# Altium PCB TIMESTICK_2.1.PcbDoc (part 3 of 3)
Units mm, origin at the board's own origin, x right, y up, seen from the top; angles counter-clockwise.
Board outline 82 x 42 mm, 4 copper layers (Top Layer, Int1, Int2, Bottom Layer), stack 1.524 mm thick; 133 components, 97 nets, 478 pads, 433 vias.
Unrouted connection lines stored in the file: 51.
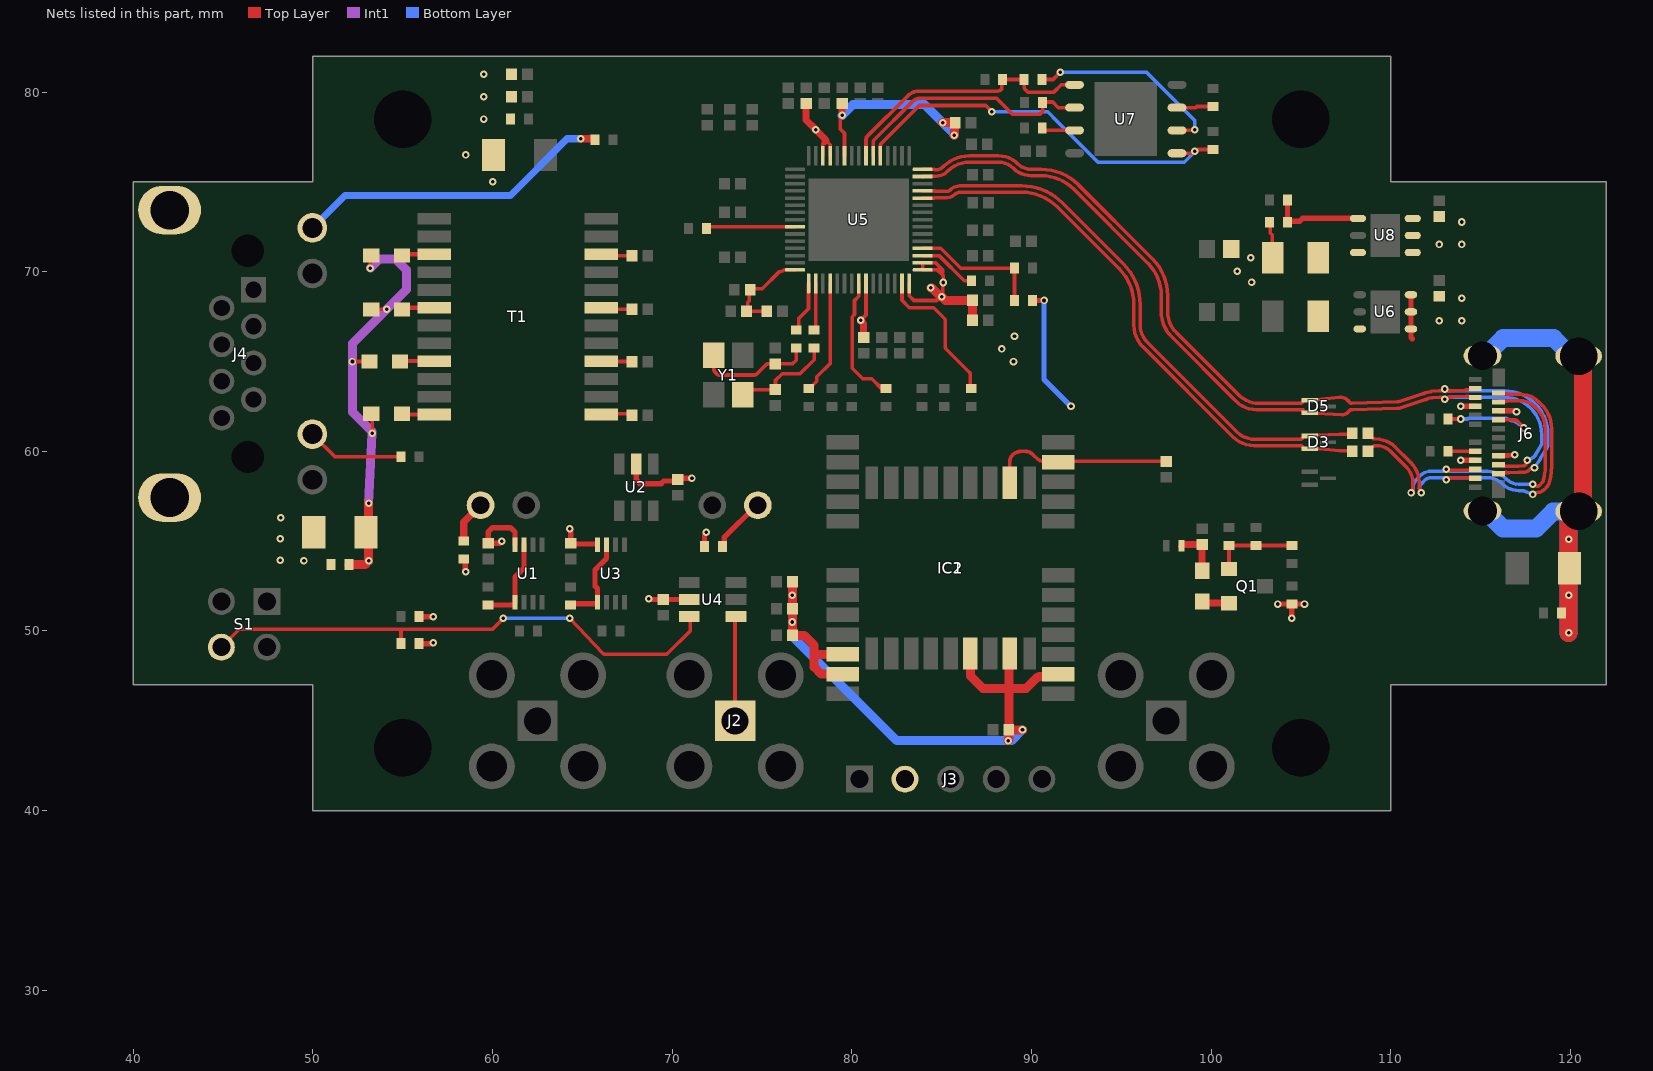
[diagram p5: the nets of this part, all layers, seen from the top]

## Via types
v1: diameter 0.42, hole 0.2, Top Layer to Bottom Layer, tented both sides, 433 vias

## Nets (pads, with @x,y where several pads share a name; then routed paths per layer and width w, separated by ;. In a path a pad name is that pad's centre, name@x,y a point inside that pad or via, vN(x,y) a via of type N, cw(c..) or ccw(c..) an arc to the next point about the centre after c; other vN are vias at no path point) (continued)
MUX2_CTRL: R7.1 S1.4 U4.6 | length 29.8
  Top Layer w0.2: S1.4@44.9,49.1 45.9,50.1 48.395,50.1 54.9,50.1 ; R7.1@54.9,49.3 54.9,50.1 ; v1(60.6,50.7) 60,50.1 54.9,50.1 ; v1(64.3,50.7) 66.138,48.762 ccw(c66.283,48.9) 66.283,48.7 69.617,48.7 ccw(c69.617,48.9) 69.759,48.759 71,50 71,50.75 U4.6@70.95,50.8
  Bottom Layer w0.2: v1(60.6,50.7) v1(64.3,50.7)
NetC5_2: C5.2 L1.1 R12.2 | length 2.6
  Top Layer w0.4: L1.1@98.35,54.75 98.41,54.81 C5.2@99.5,54.81 R12.2@99.5,53.35
NetC13_2: C13.2 R26.1 Y1.1 | length 5.8
  Top Layer w0.2: Y1.1@73.922,63.15 74.212,63.44 C13.2@75.77,63.44 ; C13.2@75.75,63.44 75.75,63.95 76.12,64.32 77.115,64.32 77.9,65.105 R26.1@77.9,65.75
NetC14_2: C14.2 R27.1 Y1.3 | length 6.5
  Top Layer w0.2: Y1.3@72.322,65.35 72.322,64.561 ccw(c72.522,64.561) 72.38,64.42 72.492,64.308 ccw(c72.633,64.45) 72.633,64.25 74.567,64.25 ccw(c74.567,64.45) 74.709,64.309 75.212,64.812 cw(c75.353,64.67) 75.353,64.87 C14.2@75.75,64.87 76.697,64.87 76.9,65.073 R27.1@76.9,65.75
NetC15_2: C15.2 J6.S R33.2 | length 45.5
  Top Layer w0.2: v1@119.9,51.8 v1(119.9,52)
  Top Layer w1: v1(119.9,49.9) v1@119.9,51.8 ; v1(119.9,52) v1(119.9,55.1) 119.9,56.614 119.946,56.66 120.654,56.66 120.7,56.706 120.7,65.254 120.654,65.3 J6.S@120.46,65.3
  Bottom Layer w1: J6.S@115.11,56.68 115.583,56.68 115.629,56.634 115.629,56.317 116.246,55.7 118.1,55.7 119.041,56.641 J6.S@119.927,56.641 ; J6.S@115.11,65.32 115.583,65.32 115.629,65.366 115.629,65.683 116.246,66.3 119.074,66.3 119.691,65.683 119.691,65.346 119.737,65.3 J6.S@120.7,65.3 ; v1(119.9,49.9) v1(119.9,52) v1(119.9,55.1) 119.9,56.614 J6.S@119.927,56.641 ; J6.S@119.927,56.641 120.441,56.641 J6.S@120.46,56.66 120.654,56.66 120.7,56.706 120.7,65.254 J6.S@120.654,65.3 ; J6.S@120.654,65.3 J6.S@120.46,65.3 J6.S@120.654,65.3
NetC28_2: C28.2 C29.2 FB3.1 U5.15 | length 5.3
  Top Layer w0.2: C29.2@75.26,67.8 FB3.1@74.14,67.8 74.203,67.863 74.203,68.303 74.3,68.4 74.3,68.96 74.39,69.05 75.006,69.05 75.943,69.987 ccw(c75.772,70.284) 75.976,70.009 ccw(c75.886,70.732) 76.249,70.1 U5.15@76.841,70.1
NetC47_2: C47.2 R20.2 R42.2 R43.2 R44.2 R45.2 | length 28.5
  Top Layer w0.2: v1(52.2,65) R42.2@53.15,65 ; v1(53.2,70.2) 53.2,70.85 R44.2@53.25,70.9 ; R20.2@53.25,62.1 53.3,62.05 v1(53.3,61) ; R43.2@53.25,67.9 v1(54.1,67.9)
  Top Layer w0.5: R45.2@52,53.7 52.9,53.7 v1(53.1,53.9) 53.1,55.35 C47.2@52.95,55.5 53.1,56.15 v1(53.1,57.1)
  Int1 w0.5: v1(53.1,53.9) v1(53.1,57.1) v1(53.3,61) 53.3,61.1 52.2,62.2 v1(52.2,65) 52.2,66 v1(54.1,67.9) 55.2,69 55.2,70.1 54.6,70.7 53.7,70.7 v1(53.2,70.2)
NetC48_1: C48.1 T1.1 | length 1.8
  Top Layer w0.2: T1.1@66.05,62.05 66.1,62.1 67.66,62.1 C48.1@67.76,62
NetC49_1: C49.1 T1.4 | length 1.7
  Top Layer w0.2: T1.4@66.05,65.022 66.072,65 C49.1@67.76,65
NetC50_1: C50.1 T1.7 | length 1.7
  Top Layer w0.2: T1.7@66.05,67.996 66.146,67.9 C50.1@67.76,67.9
NetC51_1: C51.1 T1.10 | length 1.7
  Top Layer w0.2: T1.10@66.05,70.968 66.118,70.9 C51.1@67.76,70.9
NetD1_A: D1.A R2.1 | length 2.4
  Top Layer w0.4: R2.1@58.4,55 58.4,56.07 D1.A@59.33,57
NetD2_A: D2.A R5.1 | length 3.2
  Top Layer w0.3: R5.1@72.8,54.7 72.893,54.793 72.893,55.193 74.7,57 D2.A@74.77,57
NetJ2_1: J2.1 U4.1 | length 5.8
  Top Layer w0.233: J2.1@73.5,45 73.5,50.75 U4.1@73.55,50.8
NetJ4_9: J4.9 R8.1 | length 17.8
  Top Layer w0.4: v1(64.9,77.4) 65.65,77.4 R8.1@65.7,77.35
  Bottom Layer w0.4: J4.9@49.97,72.44 51.78,74.25 61,74.25 64.15,77.4 v1(64.9,77.4)
NetJ4_11: J4.11 R10.1 | length 5.5
  Top Layer w0.2: J4.11@49.97,60.96 51.23,59.7 R10.1@54.9,59.7
NetJ6_A5: J6.A5 R29.1 | length 1.5
  Top Layer w0.2: R29.1@113.2,60 113.35,60 J6.A5@114.7,60
NetJ6_B5: J6.B5 R30.1 | length 6
  Top Layer w0.2: R30.1@113.2,61.8 113.35,61.8 v1(113.9,61.8) ; J6.B5@116,61.75 116.605,61.75 cw(c116.7,61.3) 116.7,61.76 cw(c116.7,61.3) 116.795,61.75 116.905,61.75 ccw(c117,62.2) 116.92,61.747 ccw(c117,62.2) 117,61.74 117.4,61.34 v1(117.4,61.3)
  Bottom Layer w0.2: v1(113.9,61.8) 114.244,61.8 cw(c114.784,60.46) 114.324,61.83 cw(c114.434,61.5) 114.435,61.847 116.343,61.847 cw(c116.344,61.5) 116.472,61.823 ; 116.473,61.822 cw(c115.844,60.244) 116.659,61.735 cw(c116.193,60.093) 116.773,61.699 116.954,61.634 cw(c116.8,61.2) 117.094,61.554 v1(117.4,61.3)
NetL2_1: L2.1 U6.3
NetL3_1: L3.1 U8.3
NetQ1_1: Q1.1 R13.1 R14.2 R16.1 | length 4.8
  Top Layer w0.233: Q1.1@101,53.45 R14.2@101,54.75 R16.1@102.5,54.75 R13.1@104.5,54.75
NetQ1_2: Q1.2 R12.1 | length 1.5
  Top Layer w0.4: R12.1@99.5,51.65 99.6,51.55 Q1.2@101,51.55
NetR1_1: R1.1 U1.1 U1.7 | length 5
  Top Layer w0.286: R1.1@59.75,51.45 61.1,51.45 U1.1@61.25,51.6 61.25,53 61.75,53.5 U1.7@61.75,54.8
NetR4_2: R4.2 U3.1 U3.7 | length 5.1
  Top Layer w0.3: R4.2@64.344,51.448 64.419,51.523 65.844,51.523 U3.1@65.844,51.598 65.844,52.356 65.7,52.5 65.7,53.4 66.344,54.044 U3.7@66.344,54.798
NetR20_1: R20.1 T1.24 | length 1.8
  Top Layer w0.233: R20.1@54.95,62.1 55,62.05 T1.24@56.75,62.05
NetR21_2: R21.2 U5.9 | length 5
  Top Layer w0.2: R21.2@71.9,72.4 72,72.5 U5.9@76.841,72.5
NetR22_1: R22.1 U5.29 | length 8.2
  Top Layer w0.2: U5.29@82.791,69.35 82.791,68.409 83.2,68 84.556,68 85.141,67.414 cw(c85,67.273) 85.2,67.273 85.2,65.833 ccw(c85.4,65.833) 85.259,65.692 86.542,64.408 cw(c86.4,64.268) 86.6,64.268 86.6,63.55 R22.1@86.65,63.5
NetR24_1: R24.1 U5.19 | length 6.4
  Top Layer w0.2: R24.1@77.6,63.5 77.65,63.5 78.05,63.9 78.05,64.15 78.791,64.891 U5.19@78.791,69.35
NetR25_1: R25.1 U5.33 | length 3.3
  Top Layer w0.2: U5.33@83.941,70.9 84.856,70.9 86.256,69.5 R25.1@86.656,69.5
NetR37_2: R37.2 U7.7 | length 1.9
  Top Layer w0.2: R37.2@90.6,78 90.735,77.865 U7.7@92.4,77.865
NetR38_2: R38.2 U7.3 | length 2
  Top Layer w0.203: U7.3@98.1,79.135 99.152,79.135 99.217,79.2 R38.2@100.1,79.2
NetR39_1: R39.1 U7.2 | length 11.3
  Top Layer w0.203: R39.1@90.594,80.7 91.2,80.7 v1(91.6,81.1) ; U7.2@98.1,77.865 98.117,77.882 99.082,77.882 v1(99.1,77.9)
  Bottom Layer w0.203: v1(91.6,81.1) 96.4,81.1 99.086,78.414 99.086,77.914 v1(99.1,77.9)
NetR40_2: R40.2 R41.1 U8.1 | length 5.3
  Top Layer w0.3: R41.1@104.25,74 R40.2@104.25,72.75 104.317,72.817 104.95,72.817 105.1,72.967 U8.1@108.175,72.967
NetR42_1: R42.1 T1.21 | length 1.9
  Top Layer w0.233: R42.1@54.85,65 54.872,65.022 T1.21@56.75,65.022
NetR43_1: R43.1 T1.18 | length 1.8
  Top Layer w0.233: R43.1@54.95,67.9 55.046,67.996 T1.18@56.75,67.996
NetR44_1: R44.1 T1.15 | length 1.8
  Top Layer w0.233: R44.1@54.95,70.9 55.018,70.968 T1.15@56.75,70.968
PE: C6.1 C45.1 C46.1 C47.1 J4.MH1 J4.MH2 R15.1 R45.1
  other v1: 49.5,53.9 48.189,53.941 48.189,55.141 48.2,56.3 60,75 58.5,76.5 59.5,78.5 59.5,79.75 59.5,81
RESET_N: R19.1 U5.23 | length 7.2
  Top Layer w0.203: U5.23@80.391,69.35 80.391,68.635 80.15,68.394 80.15,67.624 80.024,67.497 80.024,64.627 80.612,64.039 81.112,64.039 81.65,63.5 R19.1@81.9,63.5
RF: C7.2 IC1.11 IC2.11 | length 10.4
  Top Layer w0.2: IC2.11@88.8,58.25 88.8,59.457 88.8,59.458 cw(c89.271,59.458) 88.938,59.791 cw(c89.444,59.281) 89.444,60 89.658,60 cw(c89.658,59.415) 90.07,59.83 90.2,59.7 90.26,59.64 ccw(c90.843,60.227) 90.7,59.412 IC1.11@91.5,59.4 91.54,59.44 C7.2@97.5,59.44
SPI_CLK: R35.2 U5.51 U7.6 | length 14.1
  Top Layer w0.203: U5.51@81.191,76.45 81.191,77.207 cw(c81.394,77.207) 81.25,77.35 83.378,79.478 cw(c83.793,79.064) 83.793,79.65 88.05,79.65 88.925,78.775 89.15,78.775 90.475,78.775 90.625,78.925 R35.2@90.625,79.15 ; R35.2@90.644,79.15 90.644,79.226 R35.2@90.625,79.425 90.773,79.45 91.183,79.45 91.498,79.135 U7.6@92.4,79.135
SPI_CS: R36.2 U5.50 U7.1 | length 23
  Top Layer w0.203: U5.50@81.591,76.45 81.591,77.007 cw(c81.794,77.007) 81.65,77.15 83.75,79.25 87.45,79.25 v1@87.843,78.857 ; U7.1@98.1,76.595 99.105,76.595 99.155,76.645 99.255,76.745 99.31,76.8 ; v1(99.1,76.7) 99.159,76.7 99.259,76.8 99.31,76.8 ; R36.2@100.1,76.8 99.31,76.8
  Bottom Layer w0.203: v1(87.8,78.9) 90.9,78.9 91.45,78.35 93.7,76.1 98.5,76.1 v1(99.1,76.7)
SPI_DIO: R34.2 R39.2 U5.52 U7.5 | length 14.9
  Top Layer w0.203: U5.52@80.791,76.45 80.791,77.382 cw(c80.994,77.382) 80.85,77.525 83.125,79.8 cw(c83.729,79.196) 83.729,80.05 88.075,80.05 ccw(c88.075,80.412) 88.331,80.156 88.35,80.175 88.35,80.579 cw(c88.521,80.579) R34.2@88.4,80.7 R39.2@89.594,80.7 89.594,80.206 89.8,80 91.25,80 91.655,80.405 U7.5@92.4,80.405
SSRX_N: D5.2 J6.A10 J6.B10 U5.44 | length 48.7
  Top Layer w0.195: U5.44@83.941,75.3 83.944,75.303 84.562,75.303 ccw(c84.562,75.339) 84.588,75.313 cw(c84.614,75.288) 84.614,75.324 84.68,75.324 ccw(c84.68,76.268) 85.348,75.601 ; 85.349,75.601 cw(c86.552,74.398) 86.552,76.1 88.16,76.1 cw(c88.16,74.91) 89.001,75.751 ; 89.002,75.751 ccw(c89.973,76.722) 89.973,75.348 90.549,75.348 cw(c90.549,72.808) 92.346,74.604 96.481,70.469 cw(c94.685,68.673) 97.225,68.673 97.225,67.774 ccw(c99.208,67.774) 97.806,66.372 101.274,62.904 ccw(c101.66,63.29) 101.29,62.888 101.361,62.823 ; 104.941,62.324 ccw(c104.943,62.676) 104.943,62.324 cw(c104.943,62.13) 104.983,62.32 ; 105.132,62.32 104.983,62.32 ; 113.278,63.001 cw(c113.28,63.547) 113.276,63.001 ccw(c113.274,62.807) 113.163,62.967 cw(c113.052,63.126) 113.114,62.942 113.033,62.915 ccw(c113.095,62.73) v1(113,62.9) 112.849,62.992 ccw(c112.748,62.826) 112.75,63.021 ccw(c112.748,62.826) 112.731,63.02 112.302,62.983 ccw(c112.32,62.789) 112.284,62.981 112.117,62.95 ccw(c112.2,62.5) 111.983,62.902 cw(c111.723,63.383) 111.894,62.864 110.568,62.427 cw(c110.397,62.946) 110.413,62.4 110.362,62.399 107.852,62.324 cw(c107.836,62.87) 107.838,62.324 107.836,62.324 ccw(c107.836,62.13) 107.685,62.251 ccw(c107.836,62.13) 107.677,62.241 cw(c107.3,62.5) 107.277,62.043 105.852,62.115 D5.2@105.492,62.144 105.132,62.174 ccw(c104.943,62.13) 104.983,62.32 ; 113.279,63.001 ccw(c113.28,63.547) 113.443,63.026 113.448,63.028 cw(c113.506,62.842) 113.498,63.036 114.19,63.063 ccw(c114.169,63.609) 114.26,63.071 114.265,63.071 cw(c114.297,62.88) 114.297,63.074 ; 114.297,63.074 cw(c114.297,62.88) 114.328,63.072 114.447,63.053 J6.A10@114.7,63 ; J6.B10@116,59.25 116.253,59.197 116.372,59.178 ccw(c116.403,59.37) 116.403,59.176 cw(c116.403,58.824) 116.405,59.176 cw(c116.403,58.63) 116.514,59.164 116.519,59.163 ccw(c116.558,59.354) 116.564,59.159 117.107,59.176 ccw(c117.101,59.371) 117.112,59.176 117.374,59.19 ccw(c117.364,59.385) 117.501,59.247 ccw(c117.364,59.385) 117.551,59.33 v1(117.6,59.5) ; 101.362,62.822 cw(c101.228,62.681) 101.386,62.794 101.393,62.785 ccw(c102.512,63.907) 102.512,62.322 104.941,62.322 104.943,62.322 104.945,62.32 104.983,62.32 ; 101.361,62.823 101.362,62.822
  Bottom Layer w0.195: v1(113,62.9) ccw(c113,63.047) 113.104,62.943 cw(c113.264,62.784) 113.264,63.009 116.329,63.009 cw(c116.329,60.929) 117.8,62.4 cw(c116.351,60.951) 118.4,60.951 118.4,60.531 118.4,60.433 cw(c118.205,60.433) 118.372,60.333 118.017,59.746 cw(c117.851,59.847) 117.939,59.674 v1(117.6,59.5) v1@117.749,59.477
SSRX_P: D5.1 J6.A11 J6.B11 U5.45 | length 49.5
  Top Layer w0.195: U5.45@83.941,75.7 83.944,75.697 84.573,75.697 cw(c84.573,75.624) 84.625,75.676 84.679,75.676 ccw(c84.679,76.271) 85.1,75.85 85.102,75.852 cw(c86.549,74.405) 86.549,76.452 87.52,76.452 ; 87.522,76.452 87.52,76.452 ; 104.903,62.674 102.678,62.674 cw(c102.678,64.308) 101.624,63.059 101.599,63.082 101.528,63.147 cw(c101.66,63.29) 101.523,63.152 98.056,66.619 ccw(c97.806,66.372) 98.054,66.621 cw(c99.211,67.776) 97.577,67.776 97.577,68.677 ccw(c94.695,68.677) 96.733,70.715 92.593,74.854 ccw(c90.551,72.811) 90.551,75.7 89.978,75.7 cw(c89.978,76.732) 89.248,76.002 ccw(c88.163,74.918) 88.163,76.452 87.52,76.452 ; 104.943,62.676 ccw(c104.943,62.87) 105.132,62.825 D5.1@105.492,62.856 105.832,62.885 107.165,63.002 cw(c107.212,62.439) 107.176,63.003 cw(c107.212,62.439) 107.677,62.759 ccw(c107.836,62.87) 107.842,62.676 110.352,62.75 ; 110.353,62.75 110.403,62.751 ccw(c110.397,62.946) 110.458,62.761 111.784,63.198 ccw(c111.723,63.383) 111.816,63.212 cw(c111.9,63.058) 111.818,63.213 cw(c112.2,62.5) 112.053,63.295 112.22,63.326 cw(c112.32,62.789) 112.268,63.333 cw(c112.302,62.983) 112.271,63.333 ; 112.272,63.333 112.7,63.37 ; 112.701,63.37 cw(c112.748,62.826) 112.751,63.373 cw(c112.75,63.021) 112.753,63.372 ccw(c112.756,63.567) 112.87,63.409 112.893,63.426 cw(c113.007,63.268) 112.948,63.454 v1(113,63.47) 113.047,63.459 cw(c113.01,63.267) 113.145,63.407 ccw(c113.28,63.547) 113.279,63.353 ccw(c113.28,63.547) 113.338,63.362 113.343,63.363 cw(c113.506,62.842) 113.485,63.388 114.177,63.415 ccw(c114.169,63.609) 114.201,63.417 114.206,63.418 cw(c114.297,62.88) 114.295,63.426 cw(c114.297,63.074) 114.297,63.426 ccw(c114.297,63.62) 114.328,63.428 114.447,63.447 J6.A11@114.7,63.5 ; J6.B11@116,58.75 116.253,58.803 116.372,58.822 cw(c116.403,58.63) 116.403,58.824 cw(c116.403,58.63) 116.442,58.82 116.447,58.819 ccw(c116.558,59.354) 116.575,58.808 117.119,58.825 ccw(c117.101,59.371) 117.13,58.825 117.393,58.839 ccw(c117.364,59.385) 117.749,58.997 ; 117.75,58.998 cw(c117.888,58.861) 117.833,59.048 v1(118.003,59.097)
  Bottom Layer w0.195: v1(113,63.47) cw(c113,63.323) 113.104,63.427 ccw(c113.264,63.586) 113.264,63.361 116.331,63.361 cw(c116.331,60.933) 118.048,62.65 ; 118.048,62.649 cw(c116.351,60.951) 118.752,60.951 118.752,60.531 cw(c118.4,60.531) 118.752,60.53 118.752,60.433 cw(c118.205,60.433) 118.673,60.15 118.318,59.565 ; v1@118.058,59.023 v1(118.003,59.097) 118.303,59.541 ccw(c117.851,59.847) 118.317,59.563 118.318,59.565
SSTX_N: C9.2 D3.2 U5.41 | length 31.3
  Top Layer w0.195: U5.41@83.941,74.1 83.944,74.103 84.591,74.103 ccw(c84.591,74.139) 84.617,74.113 cw(c84.643,74.088) 84.643,74.124 85.297,74.124 ccw(c85.297,74.726) 85.723,74.3 85.724,74.301 cw(c86.022,74.003) 86.022,74.425 89.448,74.425 cw(c89.448,71.576) 91.461,73.592 ; 91.461,73.591 cw(c89.449,71.579) 91.465,73.588 94.867,70.186 ; 94.867,70.185 cw(c92.851,68.173) 95.7,68.173 95.7,67.024 ccw(c97.382,67.024) 96.193,65.835 101.212,60.815 ccw(c101.461,61.064) 101.213,60.815 ; 101.213,60.815 ccw(c102.401,62.006) 102.401,60.323 104.941,60.323 cw(c104.943,60.13) 104.943,60.324 cw(c104.943,60.13) D3.2@105.132,60.175 ; D3.2@105.132,60.174 D3.2@105.492,60.144 105.852,60.174 106.02,60.153 ccw(c106.051,60.398) 106.027,60.152 107.157,60.045 ccw(c107.2,60.5) 107.2,60.043 107.657,60.043 C9.2@107.86,60
SSTX_P: C8.2 D3.1 U5.42 | length 31.3
  Top Layer w0.195: U5.42@83.941,74.5 83.944,74.497 84.591,74.497 cw(c84.591,74.461) 84.617,74.487 ccw(c84.643,74.512) 84.643,74.476 85.296,74.476 ccw(c85.296,74.729) 85.475,74.55 85.476,74.551 cw(c86.021,74.006) 86.021,74.777 89.449,74.777 cw(c89.449,71.579) 91.709,73.841 cw(c91.461,73.592) 91.71,73.84 cw(c89.449,71.579) 91.713,73.837 95.115,70.435 cw(c94.867,70.185) 95.116,70.434 cw(c92.854,68.174) 96.052,68.174 96.052,67.026 ccw(c97.384,67.026) 96.44,66.085 cw(c96.193,65.835) 96.443,66.082 101.461,61.064 ccw(c102.402,62.008) 102.402,60.675 104.918,60.675 ; 104.94,60.676 cw(c104.943,60.324) 104.943,60.676 ccw(c104.943,60.87) 105.132,60.826 D3.1@105.49,60.845 ; D3.1@105.492,60.856 105.852,60.885 107.175,60.957 cw(c107.2,60.5) 107.2,60.957 107.657,60.957 C8.2@107.86,61
USB3.0_SSTX_N: C9.1 J6.A3 J6.B3 | length 20.7
  Top Layer w0.195: C9.1@108.74,60 cw(c108.788,60) 108.754,60.034 108.934,60.214 cw(c109.2,59.948) 109.2,60.324 cw(c109.2,59.176) 110.012,59.988 110.844,59.156 110.854,59.146 cw(c109.896,58.203) 111.238,58.273 ; v1(111.13,57.7) 111.215,57.855 ccw(c111.045,57.948) 111.239,57.948 111.238,58.265 ccw(c111.044,58.264) 111.238,58.273 ; v1(113.1,59) 113.17,58.971 ccw(c113.243,59.151) 113.231,58.957 113.392,58.948 ccw(c113.403,59.142) 113.403,58.947 114.447,58.947 J6.A3@114.7,59 ; J6.B3@116,62.75 cw(c116.127,62.623) 116.127,62.803 116.45,62.803 ccw(c116.45,62.839) 116.476,62.813 cw(c116.502,62.788) 116.502,62.824 117.217,62.824 cw(c117.217,61.717) 118,62.5 118.15,62.35 cw(c117.064,61.264) 118.6,61.264 118.6,60.066 118.6,59.188 cw(c115.384,59.188) 118.493,58.366 cw(c118.305,58.416) 118.444,58.28 118.288,58.119 cw(c118.148,58.255) 118.149,58.061 ; v1(117.9,58.17) 118.055,58.085 ccw(c118.148,58.255) 118.148,58.061
  Bottom Layer w0.195: v1(111.13,57.7) cw(c111.277,57.7) 111.173,57.804 ccw(c110.99,57.987) 111.249,57.987 cw(c111.875,57.987) 111.432,58.429 111.652,58.649 cw(c112.235,58.067) 112.235,58.891 112.853,58.891 ccw(c112.853,59.077) 112.984,58.945 112.996,58.957 cw(c113.1,58.853) v1(113.1,59) cw(c113.1,58.853) 113.204,58.957 ccw(c113.364,59.116) 113.364,58.891 115.389,58.891 cw(c115.389,57.399) 116.443,58.454 ccw(c117.126,59.133) 117.124,58.17 117.32,58.17 v1(117.9,58.17)
USB3.0_SSTX_P: C8.1 J6.A2 J6.B2 | length 21.9
  Top Layer w0.195: C8.1@108.74,61 ccw(c108.788,61) 108.754,60.966 108.943,60.777 108.993,60.739 ccw(c109.111,60.893) 109.088,60.7 109.38,60.665 cw(c109.2,59.176) 110.26,60.237 111.093,59.404 cw(c110.844,59.156) 111.095,59.402 111.104,59.393 cw(c109.896,58.203) 111.589,58.289 cw(c111.414,58.281) 111.59,58.286 cw(c111.044,58.264) 111.59,58.266 111.591,57.95 cw(c111.239,57.948) 111.591,57.948 ccw(c111.785,57.948) 111.615,57.855 v1(111.7,57.7) ; v1(113.1,58.43) cw(c113.277,58.35) 113.278,58.544 114.447,58.544 J6.A2@114.7,58.5 ; J6.B2@116,63.25 ccw(c116.127,63.377) 116.127,63.197 116.45,63.197 cw(c116.45,63.161) 116.476,63.187 ccw(c116.502,63.212) 116.502,63.176 117.219,63.176 cw(c117.219,61.721) 118.248,62.75 118.398,62.6 cw(c117.064,61.264) 118.952,61.264 118.952,60.066 cw(c118.6,60.066) 118.952,60.064 118.952,59.188 cw(c115.384,59.188) 118.833,58.277 cw(c118.305,58.416) 118.696,58.034 118.539,57.874 cw(c118.148,58.255) 118.148,57.709 ccw(c118.148,57.515) 118.055,57.685 v1(117.9,57.6)
  Bottom Layer w0.195: v1(111.7,57.7) ccw(c111.553,57.7) 111.657,57.804 cw(c111.793,57.94) 111.6,57.94 cw(c111.987,57.94) 111.714,58.214 111.9,58.4 cw(c112.236,58.064) 112.236,58.539 112.853,58.539 cw(c112.853,58.353) 112.984,58.485 112.996,58.473 ccw(c113.1,58.577) v1(113.1,58.43) ccw(c113.1,58.577) 113.204,58.473 cw(c113.364,58.314) 113.364,58.539 115.385,58.539 cw(c115.385,57.391) 116.197,58.203 ccw(c117.123,59.126) 117.123,57.818 ccw(c117.124,58.17) 117.125,57.818 117.32,57.818 cw(c117.32,57.624) 117.392,57.804 v1(117.9,57.6)
VBUS: R17.1 R18.2 U5.34 | length 7.4
  Top Layer w0.2: U5.34@83.941,71.3 84.956,71.3 86.056,70.2 R18.2@89.056,70.2 R17.1@89.056,68.4
VBUS_+5V: C1.2 C2.2 C3.2 C4.2 C19.2 C40.2 J3.2 J6.A4 J6.A9 J6.B4 J6.B9 R2.2 R5.2 R6.2 R7.2 R11.2 R17.2 U1.8 U2.5 U3.8 U4.5 U6.4 U6.5 U6.6 U8.4 U8.5 U8.6 | length 31.3
  Top Layer w0.3: R7.2@55.9,49.3 56.618,49.3 56.668,49.35 v1(56.7,49.35) ; R6.2@55.9,50.8 v1(56.7,50.8) ; R2.2@58.4,54 58.477,53.923 58.477,53.323 v1(58.5,53.3) ; v1(60.5,55) 60.39,54.89 C1.2@59.75,54.89 59.75,55.5 60,55.75 61,55.75 61.25,55.5 U1.8@61.25,54.8 ; v1(64.3,55.7) 64.3,55.668 64.344,55.623 C4.2@64.344,54.888 64.389,54.843 65.844,54.843 U3.8@65.844,54.798 ; U2.5@68,59.3 68,58.4 68.2,58.2 69.38,58.2 69.53,58.35 70.19,58.35 C2.2@70.29,58.45 ; v1(68.7,51.8) 68.75,51.75 C3.2@69.5,51.75 U4.5@70.95,51.75 ; C2.2@70.28,58.44 70.47,58.5 v1(71.1,58.5) ; R5.2@71.8,54.7 71.8,55.368 71.9,55.468 v1(71.9,55.5) ; R17.2@90.056,68.4 v1(90.7,68.4) ; v1(103.7,51.5) R11.2@104.5,51.5 ; v1(104.5,50.7) R11.2@104.5,51.5 ; v1(105.2,51.5) R11.2@104.5,51.5 ; U6.6@111.125,68.717 U6.5@111.125,67.767 U6.4@111.125,66.817 111.125,66.342 111.2,66.267 ; v1(113.9,59.5) 114.5,59.5 J6.A4@114.7,59.5 ; v1(113.9,62.5) 114.5,62.5 J6.A9@114.7,62.5 ; J6.B9@116,59.75 116.2,59.75 v1(116.9,59.8) ; J6.B4@116,62.25 116.879,62.25 cw(c116.879,62.079) v1(117,62.2)
  Bottom Layer w0.3: v1(90.7,68.4) 90.7,64 v1(92.2,62.5)
  other v1: 112.7,67.267 113.95,67.267 113.95,68.517 112.7,71.517 113.95,71.517 113.95,72.767
VCCK10: C30.2 C41.2 C42.2 C43.2 C44.2 L3.2 R40.1 U5.24 U5.30 U5.31 U5.32 U5.57 U5.58 | length 20.8
  Top Layer w0.2: U5.58@78.391,76.45 78.391,77.135 78.556,77.3 78.791,77.065 U5.57@78.791,76.45 ; v1(80.5,67.3) 80.791,67.591 U5.24@80.791,69.35 ; U5.30@83.191,69.35 83.191,68.665 83.456,68.4 84.733,68.4 84.933,68.6 v1(85,68.6) 85.056,68.656 v1@85.056,69.4 ; v1(85.1,69.4) 85.089,69.411 85.089,69.767 85.056,69.8 ; R40.1@103.25,72.75 103.3,72.7 103.3,72.15 103.4,72.05 103.4,70.792 L3.2@103.425,70.767 ; 84.756,70.1 85.056,69.8 ; 84.756,70.1 U5.31@83.941,70.1 U5.32@83.941,70.5 84.656,70.5 85.056,70.1 ; 84.756,70.1 85.056,70.1 ; 85.056,69.8 85.056,70.1
  Top Layer w0.4: C44.2@77.456,79.36 77.456,78.45 78,77.905 78,77.895 78.506,77.389 78.506,77.25 ; v1(80.5,67.3) 80.5,67.273 80.656,67.117 C41.2@80.656,66.34
  Top Layer w0.5: v1(84.4,69.1) 84.456,69.1 84.956,68.6 v1(85,68.6) 85.2,68.4 C43.2@86.716,68.4 C42.2@86.716,67.3
  other v1: 89,65 88.356,65.7 89.056,66.4 102.25,69.417 101.45,70.017 102.2,70.767 78,77.9
VCORE_LDO: C21.2 FB1.1 U5.55 | length 11.7
  Top Layer w0.2: v1(79.456,78.7) 79.456,78.64 79.356,78.54 79.356,77.94 79.591,77.705 U5.55@79.591,76.45
  Top Layer w0.4: v1(79.456,78.7) C21.2@79.456,79.36
  Top Layer w0.5: v1(85.05,78.3) FB1.1@85.76,78.3 85.76,78.28 85.71,78.23 85.71,77.61 v1(85.7,77.6)
  Bottom Layer w0.5: v1(79.456,78.7) 80.056,79.3 84.05,79.3 85.7,77.65 v1(85.7,77.6)
VDD_NEO: C10.2 C11.2 C12.2 FB5.2 IC1.2 IC1.22 IC1.23 IC2.6 IC2.8 | length 39.2
  Top Layer w0.5: FB5.2@76.69,52.75 v1(76.69,52) C10.2@76.69,51.25 v1(76.69,50.5) C11.2@76.69,49.75 77.35,49.75 77.9,49.2 77.9,48.8 ; IC1.23@79.5,47.6 78.3,47.6 77.9,48 77.9,48.8 ; IC1.22@79.5,48.7 78,48.7 77.9,48.8 ; IC2.6@86.6,48.75 86.6,47.5 87.3,46.8 88.74,46.8 ; v1(88.7,43.9) 88.74,43.94 C12.2@88.74,44.5 ; IC2.8@88.8,48.75 88.74,48.69 88.74,46.8 ; v1(89.5,44.5) C12.2@88.74,44.5 ; IC1.2@91.5,47.6 91.367,47.467 90.433,47.467 90.416,47.45 90.35,47.45 89.7,46.8 88.74,46.8 ; C12.2@88.74,44.5 88.74,46.8
  Bottom Layer w0.5: v1(76.69,52) v1(76.69,50.5) 76.69,49.71 82.5,43.9 86.837,43.9 86.847,43.89 87.353,43.89 87.363,43.9 v1(88.7,43.9) 88.9,43.9 v1(89.5,44.5)
XTL20N: R27.2 U5.16 | length 2.9
  Top Layer w0.203: R27.2@76.9,66.75 76.903,66.75 77.052,66.898 77.052,67.402 77.591,67.941 U5.16@77.591,69.35
XTL20P: R26.2 U5.17 | length 2.7
  Top Layer w0.203: R26.2@77.876,66.726 77.991,66.841 U5.17@77.991,69.35
pads on no net: IC1.1 IC1.4 IC1.5 IC1.6 IC1.8 IC1.9 IC1.15 IC1.16 IC1.17 IC1.18 IC1.19 IC2.5 IC2.7 IC2.9 IC2.14 IC2.15 IC2.16 IC2.17 IC2.18 J4.MH3 J4.MH4 J6.A8 J6.B8 MNT1. MNT2. MNT3. MNT4. U5.18 U5.22 U5.47 U5.48 U5.49 U5.60

## Polygon pours and split planes (outlines as drawn)
GND on Top Layer "NONET_L-01_P-001" (solid, pour order 62): 61.7,82 61.7,74.8 62,74.5 64,74.5 64.5,74 64.5,61 63.5,60 59,60 56,57 56,54.5 53.5,52 46.5,52 46,51.5 46,47.5 46.5,47 51.5,47 52,46.5 58.5,40 103.7,40 110.7,47 120,47 120,75 110.7,75 103.7,82
PE on Top Layer "NONET_L-01_P-001" (solid, pour order 63): 44,59.5 46.5,57 51,57 51.5,56.5 51.5,53.5 42,53.5 40,55.5 40,75 50,75 57,82 61.3,82 61.3,74.8 60.25,73.75 53.25,73.75 53,73.5 47,73.5 44,70.5
NetC28_2 on Top Layer "NONET_L-01_P-001" (solid, pour order 57): 73.35,69.45 75.1,69.45 75.85,70.2 77.2,70.2 77.2,69.55 75.6,67.95 75.6,67.2 73.35,67.2
VCCK10 on Top Layer "NONET_L-01_P-001" (solid, pour order 56): 86.9,64.25 85.65,65.5 85.65,66.75 84.15,68.25 83.4,68.25 82.9,68.75 82.9,70.5 83.15,70.75 84.65,70.75 86.9,68.5 86.9,67.25 87.3,66.85 89.2,66.85 89.5,66.55 89.4,66.45 89.4,64.65 89,64.25
VBUS_+5V on Top Layer "NONET_L-01_P-001" (solid, pour order 49): 110.5,73.25 111,73.75 114,73.75 114.5,73.25 114.5,70.75 114,70.25 111,70.25 110.5,70.75
VBUS_+5V on Top Layer "NONET_L-01_P-001" (solid, pour order 50): 110.5,68.75 111,69.25 114,69.25 114.5,68.75 114.5,66.25 114,65.75 111,65.75 110.5,66.25
NetL3_1 on Top Layer "NONET_L-01_P-001" (solid, pour order 51): 105.15,71.55 105.65,72.05 106.65,72.05 107.15,71.55 108.45,71.55 108.65,71.35 108.65,70.35 108.05,69.75 105.45,69.75 105.15,70.05
NetL2_1 on Top Layer "NONET_L-01_P-001" (solid, pour order 52): 107.75,67.25 106.25,68.75 105.5,68.75 105.25,68.5 105.25,66.5 105.75,66 108.25,66 108.75,66.5 108.75,67 108.5,67.25
VCCK10 on Top Layer "NONET_L-01_P-001" (solid, pour order 53): 104.225,72.433 100.725,72.433 100.725,69.383 101.175,68.933 103.225,68.933 104.225,69.933
DVDD_33 on Top Layer "NONET_L-01_P-001" (solid, pour order 54): 101.2,65.183 100.7,65.683 100.725,68.683 104.225,68.683 104.225,65.683 103.725,65.183 101.225,65.183
DVDD_33 on Int2 "NONET_L-01_P-001" (solid, remove dead copper, pour order 68): 72.5,77 66.5,77 66,77.5 66,81.5 66.5,82 86.75,82 100,82 104,78 104,65.5 102,63.5 91.7,63.5 80.7,52.5 75,52.5 74,53.5 74,58 72,60 72,62 74,64 74,75.5
VCCK10 on Int2 "NONET_L-01_P-001" (solid, pour order 60): 93.5,68.5 89.5,64.5 88.5,64.5 88,65 88,69.5 91.5,73 101.5,73 102.5,72 102.5,69.5 101.5,68.5
VCCK10 on Int2 "NONET_L-01_P-001" (solid, pour order 61): 77.294,71.22 79.194,69.32 79.194,67.22 79.944,66.47 80.944,66.47 81.194,66.72 81.194,67.22 81.444,67.47 85.194,67.47 86.794,69.07 86.794,75.27 84.394,77.67 78.794,77.67 77.944,78.52 77.544,78.52 76.794,77.77 76.794,74.27 77.294,73.77
GND on Int2 "NONET_L-01_P-001" (solid, pour order 76): 62,74.5 62,82 65,82 65,77.5 66,76.5 71.5,76.5 73,75 73,69 70.5,66.5 70.5,60.5 70,60 66,60 65,61 65,74 64.5,74.5
PE on Int2 "NONET_L-01_P-001" (solid, pour order 75): 44,59.5 46.5,57 51,57 51.5,56.5 51.5,53.5 42,53.5 40,55.5 40,75 50,75 57,82 61.3,82 61.3,74.8 60,73.5 53,73.5 47,73.5 44,70.5
VBUS_+5V on Int2 "NONET_L-01_P-001" (solid, pour order 70): 81.9,53.1 80.8,52 75,52 73.25,53.75 73.25,58 72.25,59 63,59 56.5,52.5 56.5,47 75.5,47 82,40.5 86,40.5 94.5,49 104.8,49 110.8,49 117.8,56 117.8,75 104.5,75 104.5,65.5 102,63 91.8,63
GND on Int1 "NONET_L-01_P-001" (solid, pour order 72): 61.7,82 61.7,74.8 62,74.5 64,74.5 64.5,74 64.5,61 63.5,60 59,60 56,57 56,54.5 53.5,52 46.5,52 46,51.5 46,47.5 46.5,47 51.5,47 52,46.5 58.5,40 103.7,40 110.7,47 120,47 120,75 110.7,75 103.7,82
PE on Int1 "NONET_L-01_P-001" (solid, pour order 74): 44,59.5 46.5,57 51,57 51.5,56.5 51.5,53.5 42,53.5 40,55.5 40,75 50,75 57,82 61.3,82 61.3,74.8 60,73.5 53,73.5 47,73.5 44,70.5
PE on Bottom Layer "NONET_L-01_P-001" (solid, pour order 77): 44,59.5 46.5,57 51,57 51.5,56.5 51.5,53.5 42,53.5 40,55.5 40,75 50,75 57,82 61.3,82 61.3,74.8 60.25,73.75 53.25,73.75 53,73.5 47,73.5 44,70.5
DVDD_1.85 on Bottom Layer "NONET_L-01_P-001" (solid, pour order 59): 78,76.2 82.5,76.2 83.5,75.2 83.5,71.7 81.5,69.7 81.5,67.2 82,66.7 82,66.2 83.5,66.2 86,68.7 86,72.7 85.5,73.2 85.5,78.5 83.5,78.5 82.8,79.2 78,79.2 77.5,78.7 77.5,76.7
GND on Bottom Layer "NONET_L-01_P-001" (solid, pour order 73): 61.7,82 61.7,74.8 62,74.5 64,74.5 64.5,74 64.5,61 63.5,60 59,60 56,57 56,54.5 53.5,52 46.5,52 46,51.5 46,47.5 46.5,47 51.5,47 52,46.5 58.5,40 103.7,40 110.7,47 120,47 120,75 110.7,75 103.7,82

## Keep-outs
Top Layer:
  lines w0.1: 76.75,67.2 71.7,67.2 71,66.5 71,61.5 71.4,61.1 75.5,61.1 75.85,61.1 77,62.25
Int1:
  lines w0.1: 77.3,71.3 77.5,71.1 77.5,68.1 76.6,67.2 71.5,67.2 70.9,66.6 70.9,62 71.7,61.2 75.8,61.2 79,64.4 79,71.3
Int2:
  lines w0.1: 77.3,71 77.4,70.9 77.4,68 76.6,67.2 71.7,67.2 70.9,66.4 70.9,62 71.7,61.2 75.8,61.2 79,64.4 79,71
Bottom Layer:
  lines w0.1: 72.15,67.25 72.1,67.2 71.1,67.2 70.4,66.5 70.4,63.3 70.4,61.5 70.8,61.1 74.9,61.1 75.1,61.3 75.8,61.3 78.4,63.9 78.4,64.75

## Silkscreen, mask and mechanical layers (free items; w line width, h text height)
Top Overlay:
  drawing of 3 lines, arcs and shapes, not listed
  text "STICK_2" at 65.271,80.078 h2.2
  text ".revision" at 71.339,80.079 h2.2
  text "SHIWA" at 95.197,61.89 h2
  text "NETWORK" at 93.739,60.191 h2
  text "IN" at 74.2,58.1 h3
  text "OUT" at 54.7,56.6 h3
  text "Mux1" at 48.2,49.9 h2
  text "ANT" at 92.9,49.3 h3
  text "Mux2" at 48.3,48.1 h2
  text "ТЕНШ.467883.04.10.000" at 104.153,47.778 h2.2
  text "OUT" at 68.05,44.8 h2 r90
  text "IN" at 69.55,44.8 h2 r90
  text "+5" at 82.2,43.2 h3 r90
  text "PPS" at 89.6,43.2 h3
  text "G" at 79.7,43.1 h3 r90
  text "RX" at 84.6,43.112 h3 r90
  text "TX" at 87.1,43.112 h3 r90
  text "PPS" at 69.1,40.5 h3 r90
Top Courtyard:
  lines w0.05: 107.25,72.85 108.4,74 ; 107.85,68.25 109,69.4
  lines w0.2: 97.55,75.95 98.7,77.1
Mechanical 19:
  drawing of 176 lines, arcs and shapes, not listed
DIMENSIONS:
  drawing of 347 lines, arcs and shapes, not listed
  text "Layer" at 41.768,134.776 h1.52
  text "Name" at 52.18,134.776 h1.52
  text "Material" at 85.953,134.776 h1.52
  text "Thickness" at 100.173,134.776 h1.52
  text "Constant" at 116.679,134.776 h1.52
  text "Board Layer Stack" at 131.153,134.776 h1.52
  text "Top Overlay" at 52.18,131.728 h1.52
  text "Top Solder" at 52.18,128.68 h1.52
  text "SM-001" at 85.953,128.68 h1.52
  text "0,025mm" at 100.173,128.68 h1.52
  text "3.5" at 116.679,128.68 h1.52
  text "Top Copper Plating" at 52.18,125.632 h1.52
  text "PbSn" at 85.953,125.632 h1.52
  text "0,027mm" at 100.173,125.632 h1.52
  text "1" at 41.768,122.584 h1.52
  text "Top Layer" at 52.18,122.584 h1.52
  text "CF-003" at 85.953,122.584 h1.52
  text "0,018mm" at 100.173,122.584 h1.52
  text "Dielectric 1" at 52.18,119.536 h1.52
  text "FR4" at 85.953,119.536 h1.52
  text "0,127mm" at 100.173,119.536 h1.52
  text "4.2" at 116.679,119.536 h1.52
  text "2" at 41.768,116.488 h1.52
  text "Int1" at 52.18,116.488 h1.52
  text "CF-003" at 85.953,116.488 h1.52
  text "0,018mm" at 100.173,116.488 h1.52
  text "Dielectric 2" at 52.18,113.44 h1.52
  text "FR4" at 85.953,113.44 h1.52
  text "1,200mm" at 100.173,113.44 h1.52
  text "4.6" at 116.679,113.44 h1.52
  text "3" at 41.768,110.392 h1.52
  text "Int2" at 52.18,110.392 h1.52
  text "CF-003" at 85.953,110.392 h1.52
  text "0,018mm" at 100.173,110.392 h1.52
  text "Dielectric 3" at 52.18,107.344 h1.52
  text "FR4" at 85.953,107.344 h1.52
  text "0,127mm" at 100.173,107.344 h1.52
  text "4.2" at 116.679,107.344 h1.52
  text "4" at 41.768,104.296 h1.52
  text "Bottom Layer" at 52.18,104.296 h1.52
  text "CF-003" at 85.953,104.296 h1.52
  text "0,018mm" at 100.173,104.296 h1.52
  text "Bottom Copper Plating" at 52.18,101.248 h1.52
  text "PbSn" at 85.953,101.248 h1.52
  text "0,027mm" at 100.173,101.248 h1.52
  text "Bottom Solder" at 52.18,98.2 h1.52
  text "SM-001" at 85.953,98.2 h1.52
  text "0,025mm" at 100.173,98.2 h1.52
  text "3.5" at 116.679,98.2 h1.52
  text "Bottom Overlay" at 52.18,95.152 h1.52

## Dimensions
73.5,45 to 97.5,45 on Top Component Center
62.5,45 to 73.5,45 on Top Component Center
50,75 to 40,75 on Top Component Center
110,75 to 122,75 on Top Component Center
55,78.5 to 55,43.5 on Top Component Center
55,43.5 to 105,43.5 on Top Component Center
122,47 to 122,75 on Top Component Center
50,82 to 110,82 on Top Component Center
110,40 to 61.7,74.8 on Top Component Center
40,75 to 122,75 on Top Component Center